# Altium PCB FX_PCB.PcbDoc (part 6 of 7) (continued)
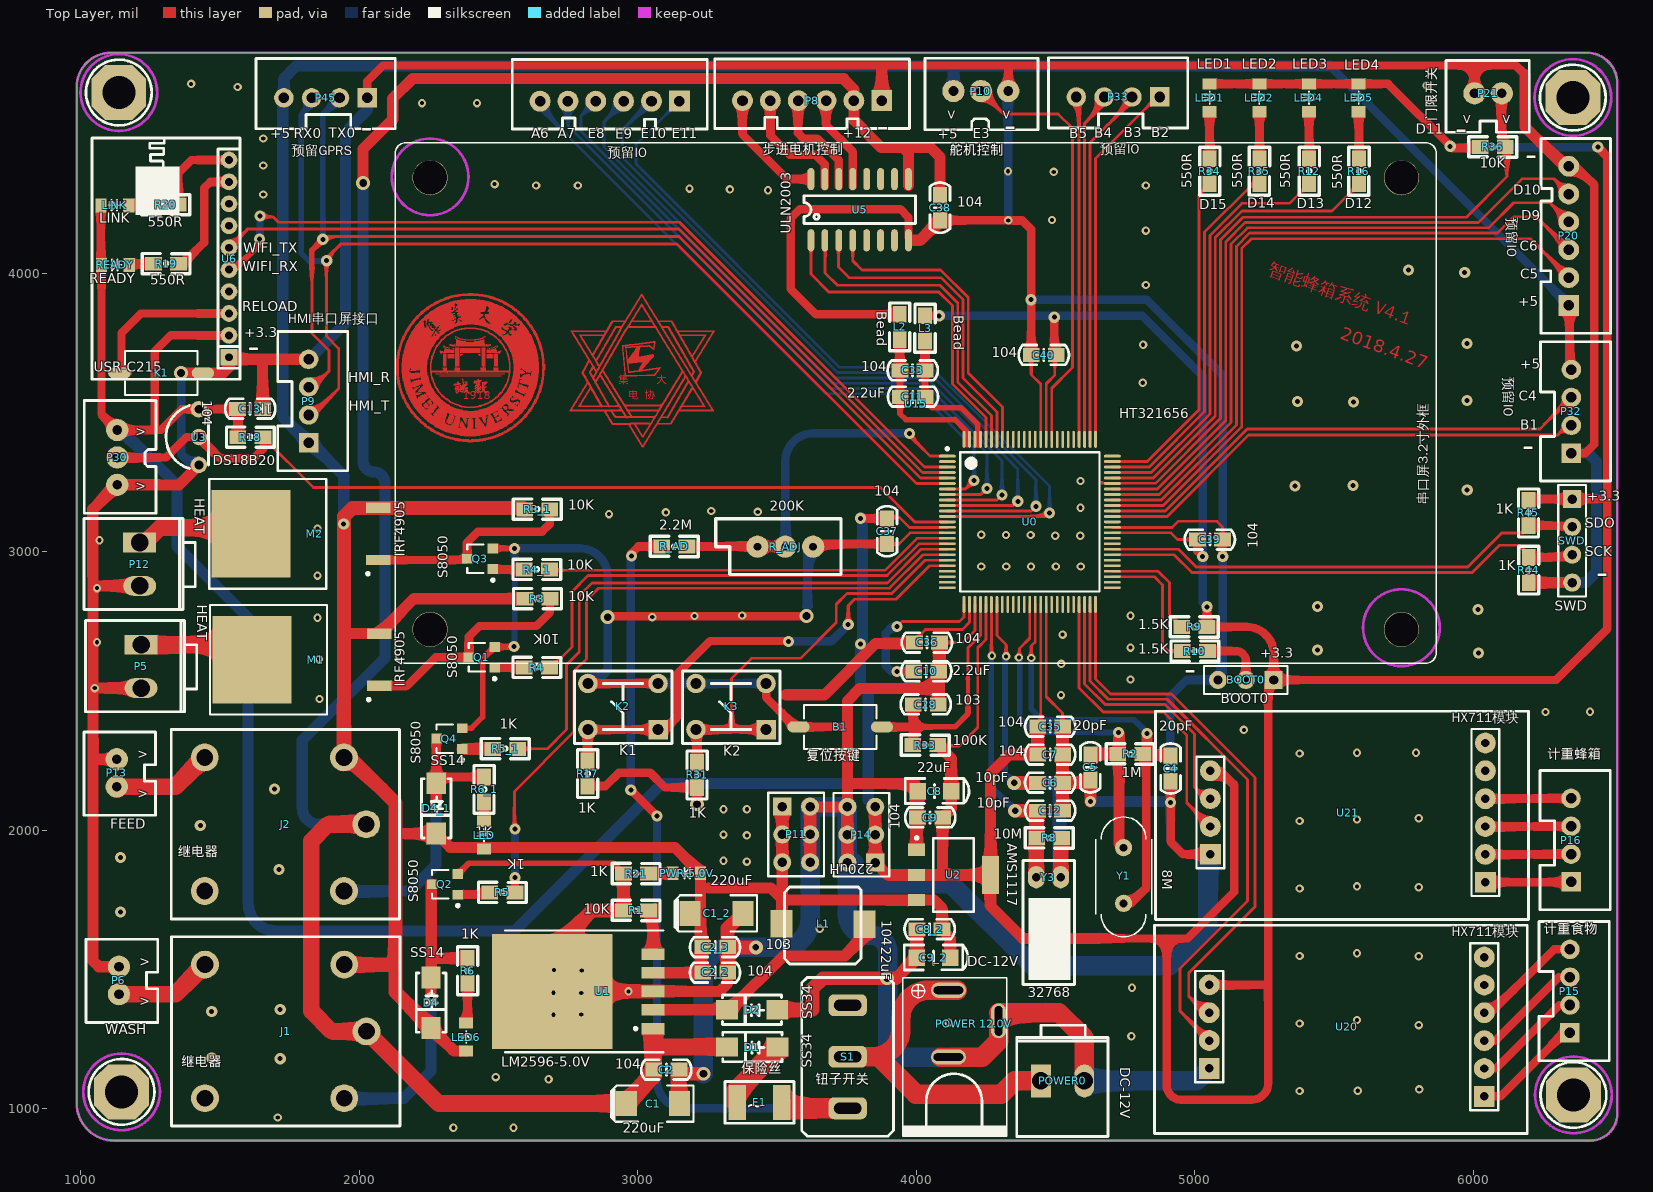
[diagram p0: Top Layer view]
## Nets (pads, with @x,y where several pads share a name; then routed paths per layer and width w, separated by ;. In a path a pad name is that pad's centre, name@x,y a point inside that pad or via, vN(x,y) a via of type N, cw(c..) or ccw(c..) an arc to the next point about the centre after c; other vN are vias at no path point) (continued)
2315,3551 ; 2307,3725 2341,3725 ; 2307,3727 2323,3727 ; 2307,3729 2315,3729 ; 2307,3731 2309,3731 ; 2307,3737 2309,3737 ; 2307,3773 2313,3773 ; 2307,3913 2335,3913 ; 2309,3411 2335,3411 ; 2309,3433 2489,3433 ; 2309,3549 2313,3549 ; 2309,3775 2315,3775 ; 2309,3891 2343,3891 ; 2311,3547 2319,3547 ; 2311,3735 2317,3735 ; 2311,3777 2319,3777 ; 2311,3793 2315,3793 ; 2315,3409 2343,3409 ; 2315,3431 2483,3431 ; 2315,3465 2333,3465 ; 2315,3467 2333,3467 ; 2315,3469 2335,3469 ; 2315,3471 2335,3471 ; 2315,3473 2337,3473 ; 2315,3545 2321,3545 ; 2315,3549 2317,3549 ; 2315,3645 2317,3645 ; 2315,3779 2321,3779 ; 2315,3893 2345,3893 ; 2315,3915 2343,3915 ; 2317,3463 2333,3463 ; 2317,3475 2337,3475 ; 2317,3477 2337,3477 ; 2317,3499 2477,3499 ; 2317,3543 2325,3543 ; 2317,3697 2341,3697 ; 2317,3699 2341,3699 ; 2317,3701 2341,3701 ; 2317,3703 2341,3703 ; 2317,3705 2341,3705 ; 2317,3707 2341,3707 ; 2317,3709 2341,3709 ; 2317,3781 2325,3781 ; 2319,3461 2331,3461 ; 2319,3479 2339,3479 ; 2319,3481 2339,3481 ; 2319,3483 2341,3483 ; 2319,3733 2325,3733 ; 2321,3407 2355,3407 ; 2321,3429 2477,3429 ; 2321,3485 2341,3485 ; 2321,3487 2339,3487 ; 2321,3541 2329,3541 ; 2321,3783 2327,3783 ; 2321,3895 2477,3895 ; 2321,3917 2355,3917 ; 2323,3489 2337,3489 ; 2323,3491 2445,3491 ; 2323,3497 2473,3497 ; 2323,3539 2331,3539 ; 2323,3785 2331,3785 ; 2325,3519 2337,3519 ; 2325,3741 2343,3741 ; 2325,3743 2343,3743 ; 2325,3745 2329,3745 ; 2327,3405 2365,3405 ; 2327,3427 2471,3427 ; 2327,3537 2335,3537 ; 2327,3787 2335,3787 ; 2327,3897 2471,3897 ; 2327,3919 2365,3919 ; 2329,3455 2359,3455 ; 2329,3493 2467,3493 ; 2329,3495 2469,3495 ; 2329,3789 2339,3789 ; 2331,3535 2339,3535 ; 2331,3739 2467,3739 ; 2333,3425 2465,3425 ; 2333,3457 2359,3457 ; 2335,3403 2395,3403 ; 2335,3459 2359,3459 ; 2335,3461 2359,3461 ; 2335,3533 2343,3533 ; 2335,3731 2341,3731 ; 2335,3791 2345,3791 ; 2335,3857 2339,3857 ; 2335,3899 2463,3899 ; 2335,3921 2407,3921 ; 2337,3463 2361,3463 ; 2337,3871 2339,3871 ; 2337,3873 2341,3873 ; 2337,3875 2341,3875 ; 2337,3877 2341,3877 ; 2339,3423 2457,3423 ; 2339,3465 2361,3465 ; 2339,3467 2361,3467 ; 2339,3469 2361,3469 ; 2339,3531 2349,3531 ; 2339,3599 2349,3599 ; 2339,3601 2359,3601 ; 2339,3793 2349,3793 ; 2339,3829 2347,3829 ; 2339,3879 2341,3879 ; 2339,3881 2343,3881 ; 2339,3901 2455,3901 ; 2341,3471 2361,3471 ; 2341,3473 2361,3473 ; 2341,3603 2365,3603 ; 2341,3817 2385,3817 ; 2341,3831 2347,3831 ; 2341,3849 2343,3849 ; 2341,3857 2343,3857 ; 2341,3883 2343,3883 ; 2343,3401 2455,3401 ; 2343,3475 2361,3475 ; 2343,3477 2361,3477 ; 2343,3479 2361,3479 ; 2343,3489 2453,3489 ; 2343,3529 2355,3529 ; 2343,3585 2349,3585 ; 2343,3587 2353,3587 ; 2343,3651 2361,3651 ; 2343,3653 2361,3653 ; 2343,3655 2361,3655 ; 2343,3657 2361,3657 ; 2343,3659 2361,3659 ; 2343,3661 2361,3661 ; 2343,3795 2353,3795 ; 2343,3841 2347,3841 ; 2343,3843 2347,3843 ; 2343,3871 2345,3871 ; 2345,3481 2357,3481 ; 2345,3483 2357,3483 ; 2345,3593 2353,3593 ; 2345,3667 2359,3667 ; 2345,3669 2359,3669 ; 2345,3671 2359,3671 ; 2345,3673 2359,3673 ; 2345,3675 2359,3675 ; 2345,3677 2359,3677 ; 2345,3679 2359,3679 ; 2345,3681 2359,3681 ; 2345,3683 2359,3683 ; 2345,3685 2359,3685 ; 2345,3687 2359,3687 ; 2345,3689 2359,3689 ; 2345,3691 2359,3691 ; 2345,3693 2359,3693 ; 2345,3695 2359,3695 ; 2345,3697 2359,3697 ; 2345,3699 2359,3699 ; 2345,3701 2359,3701 ; 2345,3703 2359,3703 ; 2345,3705 2359,3705 ; 2345,3707 2359,3707 ; 2345,3709 2359,3709 ; 2345,3711 2359,3711 ; 2345,3713 2359,3713 ; 2345,3715 2359,3715 ; 2345,3717 2359,3717 ; 2345,3719 2359,3719 ; 2345,3721 2359,3721 ; 2345,3723 2359,3723 ; 2345,3725 2359,3725 ; 2345,3727 2359,3727 ; 2345,3729 2359,3729 ; 2345,3731 2359,3731 ; 2345,3733 2359,3733 ; 2345,3767 2347,3767 ; 2345,3771 2351,3771 ; 2345,3773 2347,3773 ; 2345,3833 2347,3833 ; 2345,3873 2349,3873 ; 2345,3923 2455,3923 ; 2347,3575 2357,3575 ; 2347,3577 2349,3577 ; 2347,3579 2349,3579 ; 2347,3581 2359,3581 ; 2347,3583 2349,3583 ; 2347,3595 2359,3595 ; 2347,3665 2349,3665 ; 2347,3741 2451,3741 ; 2347,3743 2451,3743 ; 2347,3747 2451,3747 ; 2347,3797 2361,3797 ; 2347,3819 2465,3819 ; 2347,3821 2461,3821 ; 2347,3863 2351,3863 ; 2347,3875 2349,3875 ; 2349,3487 2451,3487 ; 2349,3527 2359,3527 ; 2349,3571 2351,3571 ; 2349,3573 2351,3573 ; 2349,3745 2451,3745 ; 2349,3749 2449,3749 ; 2349,3751 2353,3751 ; 2349,3753 2449,3753 ; 2349,3755 2383,3755 ; 2349,3757 2369,3757 ; 2349,3759 2361,3759 ; 2349,3761 2353,3761 ; 2349,3763 2351,3763 ; 2349,3865 2451,3865 ; 2349,3877 2455,3877 ; 2349,3879 2455,3879 ; 2349,3881 2455,3881 ; 2349,3893 2483,3893 ; 2351,3421 2447,3421 ; 2351,3485 2437,3485 ; 2351,3583 2363,3583 ; 2351,3589 2359,3589 ; 2351,3605 2363,3605 ; 2351,3609 2357,3609 ; 2351,3769 2357,3769 ; 2351,3823 2453,3823 ; 2351,3825 2455,3825 ; 2351,3853 2353,3853 ; 2351,3855 2437,3855 ; 2351,3857 2435,3857 ; 2351,3867 2453,3867 ; 2351,3883 2457,3883 ; 2351,3891 2487,3891 ; 2351,3903 2447,3903 ; 2353,3399 2443,3399 ; 2353,3525 2367,3525 ; 2353,3607 2357,3607 ; 2353,3611 2357,3611 ; 2353,3645 2355,3645 ; 2353,3799 2369,3799 ; 2353,3827 2363,3827 ; 2353,3829 2361,3829 ; 2353,3831 2357,3831 ; 2353,3835 2355,3835 ; 2353,3847 2361,3847 ; 2353,3863 2449,3863 ; 2353,3869 2453,3869 ; 2353,3875 2455,3875 ; 2353,3887 2497,3887 ; 2353,3889 2493,3889 ; 2355,3577 2357,3577 ; 2355,3579 2359,3579 ; 2355,3751 2449,3751 ; 2355,3767 2363,3767 ; 2355,3837 2429,3837 ; 2355,3839 2431,3839 ; 2355,3859 2435,3859 ; 2355,3861 2437,3861 ; 2355,3871 2453,3871 ; 2355,3873 2455,3873 ; 2355,3885 2501,3885 ; 2355,3925 2443,3925 ; 2357,3585 2359,3585 ; 2357,3591 2359,3591 ; 2357,3597 2359,3597 ; 2357,3849 2443,3849 ; 2357,3853 2441,3853 ; 2359,3481 2361,3481 ; 2359,3523 2379,3523 ; 2359,3801 2381,3801 ; 2359,3851 2445,3851 ; 2361,3419 2435,3419 ; 2361,3577 2365,3577 ; 2361,3765 2369,3765 ; 2361,3835 2425,3835 ; 2361,3841 2435,3841 ; 2363,3451 2379,3451 ; 2363,3453 2377,3453 ; 2363,3455 2377,3455 ; 2363,3457 2375,3457 ; 2363,3459 2375,3459 ; 2363,3579 2365,3579 ; 2363,3581 2365,3581 ; 2363,3585 2377,3585 ; 2363,3587 2377,3587 ; 2363,3589 2383,3589 ; 2363,3591 2367,3591 ; 2363,3593 2367,3593 ; 2363,3595 2381,3595 ; 2363,3597 2367,3597 ; 2363,3705 2367,3705 ; 2363,3707 2367,3707 ; 2363,3709 2371,3709 ; 2363,3717 2435,3717 ; 2363,3719 2435,3719 ; 2363,3721 2435,3721 ; 2363,3723 2435,3723 ; 2363,3725 2435,3725 ; 2363,3727 2435,3727 ; 2363,3729 2435,3729 ; 2363,3731 2435,3731 ; 2363,3905 2433,3905 ; 2365,3449 2381,3449 ; 2365,3461 2373,3461 ; 2365,3463 2371,3463 ; 2365,3465 2371,3465 ; 2365,3467 2369,3467 ; 2365,3469 2367,3469 ; 2365,3471 2367,3471 ; 2365,3833 2451,3833 ; 2365,3843 2437,3843 ; 2367,3445 2373,3445 ; 2367,3447 2381,3447 ; 2367,3521 2429,3521 ; 2367,3575 2371,3575 ; 2367,3577 2373,3577 ; 2367,3583 2369,3583 ; 2367,3803 2429,3803 ; 2367,3845 2439,3845 ; 2367,3847 2441,3847 ; 2369,3483 2427,3483 ; 2369,3593 2379,3593 ; 2369,3597 2385,3597 ; 2369,3599 2387,3599 ; 2369,3617 2373,3617 ; 2369,3619 2371,3619 ; 2369,3621 2371,3621 ; 2369,3763 2381,3763 ; 2369,3827 2455,3827 ; 2369,3831 2451,3831 ; 2369,3927 2429,3927 ; 2371,3397 2431,3397 ; 2371,3437 2499,3437 ; 2371,3479 2383,3479 ; 2371,3481 2383,3481 ; 2371,3579 2373,3579 ; 2371,3581 2375,3581 ; 2371,3591 2381,3591 ; 2371,3609 2375,3609 ; 2371,3611 2373,3611 ; 2371,3613 2373,3613 ; 2371,3615 2373,3615 ; 2371,3829 2453,3829 ; 2373,3475 2387,3475 ; 2373,3477 2387,3477 ; 2373,3583 2377,3583 ; 2373,3605 2375,3605 ; 2373,3607 2375,3607 ; 2375,3445 2383,3445 ; 2375,3471 2387,3471 ; 2375,3473 2385,3473 ; 2375,3573 2379,3573 ; 2375,3601 2387,3601 ; 2375,3603 2377,3603 ; 2377,3469 2385,3469 ; 2377,3575 2379,3575 ; 2379,3417 2419,3417 ; 2379,3465 2385,3465 ; 2379,3467 2385,3467 ; 2379,3519 2419,3519 ; 2379,3577 2381,3577 ; 2379,3579 2383,3579 ; 2379,3611 2387,3611 ; 2379,3761 2419,3761 ; 2379,3805 2419,3805 ; 2381,3463 2385,3463 ; 2381,3581 2387,3581 ; 2381,3587 2387,3587 ; 2381,3609 2387,3609 ; 2381,3907 2419,3907 ; 2383,3459 2385,3459 ; 2383,3461 2385,3461 ; 2383,3583 2385,3583 ; 2383,3585 2387,3585 ; 2383,3603 2387,3603 ; 2383,3607 2387,3607 ; 2385,3577 2389,3577 ; 2385,3579 2389,3579 ; 2385,3589 2389,3589 ; 2387,3443 2405,3443 ; 2387,3445 2405,3445 ; 2387,3447 2409,3447 ; 2387,3575 2395,3575 ; 2387,3591 2389,3591 ; 2389,3395 2407,3395 ; 2389,3449 2409,3449 ; 2389,3451 2409,3451 ; 2389,3453 2409,3453 ; 2389,3455 2409,3455 ; 2389,3457 2409,3457 ; 2389,3459 2409,3459 ; 2389,3461 2409,3461 ; 2389,3463 2409,3463 ; 2389,3465 2409,3465 ; 2389,3467 2409,3467 ; 2389,3573 2395,3573 ; 2391,3469 2409,3469 ; 2391,3471 2409,3471 ; 2391,3473 2395,3473 ; 2391,3475 2399,3475 ; 2391,3569 2395,3569 ; 2391,3571 2395,3571 ; 2391,3929 2409,3929 ; 2393,3481 2403,3481 ; 2395,3477 2407,3477 ; 2397,3473 2409,3473 ; 2397,3479 2403,3479 ; 2401,3475 2407,3475 ; 2403,3403 2463,3403 ; 2409,3921 2463,3921 ; 2411,3607 2415,3607 ; 2411,3609 2423,3609 ; 2411,3611 2435,3611 ; 2413,3507 2493,3507 ; 2413,3613 2437,3613 ; 2413,3755 2449,3755 ; 2413,3763 2429,3763 ; 2415,3577 2417,3577 ; 2415,3585 2417,3585 ; 2415,3587 2419,3587 ; 2415,3595 2419,3595 ; 2415,3817 2517,3817 ; 2417,3449 2451,3449 ; 2417,3451 2451,3451 ; 2417,3453 2449,3453 ; 2417,3455 2447,3455 ; 2417,3457 2447,3457 ; 2417,3459 2445,3459 ; 2417,3461 2443,3461 ; 2417,3463 2441,3463 ; 2417,3465 2441,3465 ; 2417,3467 2439,3467 ; 2417,3469 2421,3469 ; 2417,3471 2437,3471 ; 2417,3473 2435,3473 ; 2417,3475 2433,3475 ; 2417,3477 2431,3477 ; 2417,3573 2419,3573 ; 2417,3579 2419,3579 ; 2417,3589 2421,3589 ; 2417,3597 2431,3597 ; 2419,3447 2519,3447 ; 2419,3479 2429,3479 ; 2419,3523 2439,3523 ; 2419,3575 2421,3575 ; 2419,3581 2421,3581 ; 2419,3591 2431,3591 ; 2419,3603 2423,3603 ; 2419,3605 2421,3605 ; 2419,3607 2423,3607 ; 2419,3801 2439,3801 ; 2421,3443 2511,3443 ; 2421,3481 2425,3481 ; 2421,3577 2423,3577 ; 2421,3583 2423,3583 ; 2421,3593 2427,3593 ; 2421,3595 2429,3595 ; 2421,3599 2433,3599 ; 2423,3445 2515,3445 ; 2423,3469 2437,3469 ; 2423,3573 2429,3573 ; 2423,3579 2425,3579 ; 2423,3585 2425,3585 ; 2423,3587 2431,3587 ; 2423,3601 2435,3601 ; 2425,3571 2429,3571 ; 2425,3581 2431,3581 ; 2425,3589 2429,3589 ; 2425,3603 2429,3603 ; 2425,3615 2439,3615 ; 2425,3617 2429,3617 ; 2425,3619 2429,3619 ; 2427,3575 2431,3575 ; 2427,3577 2429,3577 ; 2427,3579 2431,3579 ; 2427,3583 2431,3583 ; 2427,3605 2431,3605 ; 2427,3607 2433,3607 ; 2427,3709 2435,3709 ; 2427,3765 2437,3765 ; 2429,3509 2515,3509 ; 2429,3525 2445,3525 ; 2429,3585 2431,3585 ; 2429,3609 2433,3609 ; 2429,3757 2449,3757 ; 2429,3799 2445,3799 ; 2429,3815 2517,3815 ; 2431,3405 2473,3405 ; 2431,3705 2435,3705 ; 2431,3707 2435,3707 ; 2431,3919 2471,3919 ; 2433,3585 2437,3585 ; 2433,3587 2435,3587 ; 2433,3589 2435,3589 ; 2433,3591 2437,3591 ; 2433,3593 2437,3593 ; 2435,3573 2437,3573 ; 2435,3583 2437,3583 ; 2435,3595 2437,3595 ; 2435,3661 2455,3661 ; 2435,3767 2443,3767 ; 2437,3511 2515,3511 ; 2437,3527 2451,3527 ; 2437,3575 2441,3575 ; 2437,3651 2455,3651 ; 2437,3653 2455,3653 ; 2437,3655 2455,3655 ; 2437,3657 2455,3657 ; 2437,3659 2455,3659 ; 2437,3759 2449,3759 ; 2437,3797 2451,3797 ; 2437,3813 2519,3813 ; 2437,3835 2449,3835 ; 2439,3481 2455,3481 ; 2439,3577 2443,3577 ; 2439,3589 2445,3589 ; 2439,3591 2453,3591 ; 2439,3607 2443,3607 ; 2439,3667 2453,3667 ; 2439,3669 2445,3669 ; 2439,3671 2453,3671 ; 2439,3673 2453,3673 ; 2439,3675 2453,3675 ; 2439,3677 2453,3677 ; 2439,3679 2453,3679 ; 2439,3681 2453,3681 ; 2439,3683 2453,3683 ; 2439,3685 2453,3685 ; 2439,3687 2453,3687 ; 2439,3689 2453,3689 ; 2439,3691 2453,3691 ; 2439,3693 2453,3693 ; 2439,3695 2453,3695 ; 2439,3697 2453,3697 ; 2439,3699 2453,3699 ; 2439,3701 2453,3701 ; 2439,3703 2453,3703 ; 2439,3705 2453,3705 ; 2439,3707 2453,3707 ; 2439,3709 2453,3709 ; 2439,3711 2453,3711 ; 2439,3713 2453,3713 ; 2439,3715 2453,3715 ; 2439,3717 2453,3717 ; 2439,3719 2453,3719 ; 2439,3721 2453,3721 ; 2439,3723 2453,3723 ; 2439,3725 2453,3725 ; 2439,3727 2453,3727 ; 2439,3729 2453,3729 ; 2439,3731 2453,3731 ; 2439,3733 2453,3733 ; 2439,3837 2449,3837 ; 2441,3477 2455,3477 ; 2441,3479 2455,3479 ; 2441,3483 2457,3483 ; 2441,3485 2447,3485 ; 2441,3579 2451,3579 ; 2441,3583 2449,3583 ; 2441,3585 2443,3585 ; 2441,3593 2443,3593 ; 2441,3595 2445,3595 ; 2441,3597 2449,3597 ; 2441,3599 2453,3599 ; 2441,3601 2443,3601 ; 2441,3603 2443,3603 ; 2441,3605 2443,3605 ; 2441,3609 2459,3609 ; 2441,3769 2447,3769 ; 2441,3839 2449,3839 ; 2443,3475 2455,3475 ; 2443,3513 2505,3513 ; 2443,3581 2449,3581 ; 2443,3761 2449,3761 ; 2443,3795 2455,3795 ; 2443,3811 2521,3811 ; 2443,3853 2445,3853 ; 2445,3407 2479,3407 ; 2445,3471 2455,3471 ; 2445,3473 2455,3473 ; 2445,3529 2455,3529 ; 2445,3593 2447,3593 ; 2445,3607 2457,3607 ; 2445,3665 2449,3665 ; 2445,3841 2449,3841 ; 2445,3917 2477,3917 ; 2447,3469 2455,3469 ; 2447,3491 2459,3491 ; 2447,3577 2453,3577 ; 2447,3585 2451,3585 ; 2447,3587 2451,3587 ; 2447,3601 2453,3601 ; 2447,3603 2453,3603 ; 2447,3669 2453,3669 ; 2447,3771 2453,3771 ; 2449,3465 2453,3465 ; 2449,3467 2453,3467 ; 2449,3485 2457,3485 ; 2449,3531 2459,3531 ; 2449,3575 2457,3575 ; 2449,3589 2451,3589 ; 2449,3593 2457,3593 ; 2449,3605 2455,3605 ; 2449,3793 2461,3793 ; 2449,3809 2465,3809 ; 2451,3463 2453,3463 ; 2451,3515 2505,3515 ; 2451,3611 2459,3611 ; 2451,3773 2453,3773 ; 2451,3849 2559,3849 ; 2453,3533 2465,3533 ; 2453,3573 2459,3573 ; 2453,3791 2465,3791 ; 2453,3845 2563,3845 ; 2453,3847 2561,3847 ; 2453,3851 2557,3851 ; 2453,3853 2533,3853 ; 2455,3409 2467,3409 ; 2455,3449 2521,3449 ; 2455,3451 2525,3451 ; 2455,3453 2521,3453 ; 2455,3571 2459,3571 ; 2455,3741 2471,3741 ; 2455,3743 2473,3743 ; 2455,3745 2457,3745 ; 2455,3807 2535,3807 ; 2455,3823 2459,3823 ; 2455,3839 2569,3839 ; 2455,3841 2567,3841 ; 2455,3843 2565,3843 ; 2455,3915 2483,3915 ; 2457,3455 2533,3455 ; 2457,3457 2461,3457 ; 2457,3459 2537,3459 ; 2457,3461 2485,3461 ; 2457,3463 2485,3463 ; 2457,3517 2509,3517 ; 2457,3535 2467,3535 ; 2457,3697 2481,3697 ; 2457,3699 2481,3699 ; 2457,3701 2481,3701 ; 2457,3703 2481,3703 ; 2457,3705 2481,3705 ; 2457,3707 2481,3707 ; 2457,3709 2481,3709 ; 2457,3717 2507,3717 ; 2457,3719 2493,3719 ; 2457,3721 2493,3721 ; 2457,3723 2493,3723 ; 2457,3725 2493,3725 ; 2457,3789 2467,3789 ; 2457,3835 2461,3835 ; 2457,3837 2571,3837 ; 2459,3465 2487,3465 ; 2459,3467 2487,3467 ; 2459,3469 2485,3469 ; 2459,3471 2485,3471 ; 2459,3473 2483,3473 ; 2459,3475 2483,3475 ; 2459,3833 2533,3833 ; 2461,3477 2481,3477 ; 2461,3479 2481,3479 ; 2461,3481 2479,3481 ; 2461,3483 2479,3483 ; 2461,3485 2477,3485 ; 2461,3487 2475,3487 ; 2461,3519 2501,3519 ; 2461,3731 2463,3731 ; 2461,3805 2509,3805 ; 2461,3863 2541,3863 ; 2461,3865 2537,3865 ; 2461,3883 2507,3883 ; 2463,3411 2491,3411 ; 2463,3457 2533,3457 ; 2463,3491 2469,3491 ; 2463,3537 2471,3537 ; 2463,3787 2471,3787 ; 2463,3829 2539,3829 ; 2463,3831 2541,3831 ; 2463,3835 2543,3835 ; 2463,3867 2535,3867 ; 2463,3869 2531,3869 ; 2463,3881 2511,3881 ; 2463,3913 2489,3913 ; 2465,3489 2475,3489 ; 2465,3521 2499,3521 ; 2465,3803 2509,3803 ; 2465,3827 2537,3827 ; 2465,3855 2551,3855 ; 2465,3871 2529,3871 ; 2465,3877 2519,3877 ; 2465,3879 2515,3879 ; 2467,3539 2469,3539 ; 2467,3731 2469,3731 ; 2467,3785 2475,3785 ; 2467,3809 2517,3809 ; 2467,3857 2549,3857 ; 2467,3859 2545,3859 ; 2467,3861 2543,3861 ; 2467,3873 2525,3873 ; 2467,3875 2523,3875 ; 2469,3409 2485,3409 ; 2469,3523 2513,3523 ; 2469,3541 2479,3541 ; 2469,3715 2471,3715 ; 2469,3745 2473,3745 ; 2469,3783 2477,3783 ; 2469,3801 2509,3801 ; 2469,3823 2527,3823 ; 2469,3825 2537,3825 ; 2469,3911 2495,3911 ; 2471,3413 2495,3413 ; 2471,3491 2473,3491 ; 2471,3539 2475,3539 ; 2473,3525 2517,3525 ; 2473,3543 2481,3543 ; 2473,3733 2479,3733 ; 2473,3781 2481,3781 ; 2473,3799 2495,3799 ; 2473,3819 2519,3819 ; 2473,3821 2523,3821 ; 2475,3727 2491,3727 ; 2475,3779 2483,3779 ; 2477,3415 2499,3415 ; 2477,3527 2519,3527 ; 2477,3545 2483,3545 ; 2477,3797 2513,3797 ; 2477,3909 2501,3909 ; 2479,3547 2487,3547 ; 2479,3777 2487,3777 ; 2481,3493 2497,3493 ; 2481,3495 2497,3495 ; 2481,3529 2521,3529 ; 2481,3661 2499,3661 ; 2481,3735 2485,3735 ; 2481,3795 2517,3795 ; 2483,3417 2505,3417 ; 2483,3491 2495,3491 ; 2483,3497 2501,3497 ; 2483,3531 2525,3531 ; 2483,3549 2485,3549 ; 2483,3651 2499,3651 ; 2483,3653 2499,3653 ; 2483,3655 2497,3655 ; 2483,3657 2497,3657 ; 2483,3659 2499,3659 ; 2483,3729 2491,3729 ; 2483,3773 2491,3773 ; 2483,3775 2489,3775 ; 2483,3793 2489,3793 ; 2483,3907 2505,3907 ; 2485,3487 2489,3487 ; 2485,3489 2493,3489 ; 2485,3551 2491,3551 ; 2485,3667 2497,3667 ; 2485,3669 2497,3669 ; 2485,3671 2497,3671 ; 2485,3673 2497,3673 ; 2485,3675 2497,3675 ; 2485,3677 2497,3677 ; 2485,3679 2497,3679 ; 2485,3681 2497,3681 ; 2485,3683 2497,3683 ; 2485,3685 2497,3685 ; 2485,3687 2497,3687 ; 2485,3689 2497,3689 ; 2485,3691 2497,3691 ; 2485,3693 2497,3693 ; 2485,3695 2497,3695 ; 2485,3697 2497,3697 ; 2485,3699 2497,3699 ; 2485,3701 2497,3701 ; 2485,3703 2497,3703 ; 2485,3705 2497,3705 ; 2485,3707 2497,3707 ; 2485,3709 2497,3709 ; 2485,3711 2497,3711 ; 2485,3791 2519,3791 ; 2487,3499 2497,3499 ; 2487,3533 2491,3533 ; 2487,3549 2489,3549 ; 2487,3553 2493,3553 ; 2487,3737 2491,3737 ; 2487,3771 2493,3771 ; 2489,3419 2509,3419 ; 2489,3461 2541,3461 ; 2489,3479 2509,3479 ; 2489,3481 2509,3481 ; 2489,3535 2549,3535 ; 2489,3555 2495,3555 ; 2489,3731 2491,3731 ; 2489,3789 2527,3789 ; 2489,3905 2511,3905 ; 2491,3475 2505,3475 ; 2491,3477 2499,3477 ; 2491,3501 2495,3501 ; 2491,3537 2495,3537 ; 2491,3557 2499,3557 ; 2491,3769 2495,3769 ; 2491,3787 2525,3787 ; 2491,3793 2515,3793 ; 2493,3421 2515,3421 ; 2493,3463 2543,3463 ; 2493,3471 2499,3471 ; 2493,3473 2503,3473 ; 2493,3483 2503,3483 ; 2493,3533 2573,3533 ; 2493,3559 2501,3559 ; 2493,3735 2495,3735 ; 2493,3737 2495,3737 ; 2493,3739 2497,3739 ; 2493,3767 2497,3767 ; 2495,3539 2543,3539 ; 2495,3765 2499,3765 ; 2495,3785 2511,3785 ; 2495,3903 2513,3903 ; 2497,3465 2547,3465 ; 2497,3485 2501,3485 ; 2497,3505 2519,3505 ; 2497,3507 2517,3507 ; 2497,3537 2545,3537 ; 2497,3541 2541,3541 ; 2497,3561 2503,3561 ; 2497,3763 2503,3763 ; 2497,3783 2513,3783 ; 2497,3799 2511,3799 ; 2499,3423 2517,3423 ; 2499,3495 2529,3495 ; 2499,3501 2517,3501 ; 2499,3503 2521,3503 ; 2499,3543 2541,3543 ; 2499,3563 2503,3563 ; 2499,3565 2507,3565 ; 2499,3719 2507,3719 ; 2499,3761 2505,3761 ; 2499,3781 2511,3781 ; 2499,3901 2517,3901 ; 2501,3467 2549,3467 ; 2501,3477 2509,3477 ; 2501,3491 2527,3491 ; 2501,3493 2531,3493 ; 2501,3499 2525,3499 ; 2501,3521 2513,3521 ; 2501,3545 2539,3545 ; 2501,3567 2507,3567 ; 2501,3713 2503,3713 ; 2501,3757 2509,3757 ; 2501,3759 2507,3759 ; 2501,3779 2513,3779 ; 2503,3425 2521,3425 ; 2503,3487 2529,3487 ; 2503,3489 2529,3489 ; 2503,3497 2527,3497 ; 2503,3519 2511,3519 ; 2503,3569 2509,3569 ; 2503,3715 2505,3715 ; 2503,3755 2509,3755 ; 2503,3777 2515,3777 ; 2503,3899 2521,3899 ; 2505,3469 2551,3469 ; 2505,3483 2509,3483 ; 2505,3485 2569,3485 ; 2505,3547 2541,3547 ; 2505,3571 2511,3571 ; 2505,3753 2511,3753 ; 2505,3775 2509,3775 ; 2507,3549 2541,3549 ; 2507,3573 2513,3573 ; 2507,3721 2509,3721 ; 2507,3751 2513,3751 ; 2507,3897 2525,3897 ; 2509,3427 2525,3427 ; 2509,3471 2553,3471 ; 2509,3513 2511,3513 ; 2509,3551 2541,3551 ; 2509,3553 2543,3553 ; 2509,3575 2511,3575 ; 2509,3749 2515,3749 ; 2509,3773 2517,3773 ; 2511,3555 2545,3555 ; 2511,3577 2515,3577 ; 2511,3745 2517,3745 ; 2511,3747 2515,3747 ; 2511,3771 2619,3771 ; 2511,3775 2535,3775 ; 2513,3429 2529,3429 ; 2513,3473 2557,3473 ; 2513,3475 2559,3475 ; 2513,3477 2561,3477 ; 2513,3479 2563,3479 ; 2513,3481 2565,3481 ; 2513,3483 2567,3483 ; 2513,3557 2547,3557 ; 2513,3575 2515,3575 ; 2513,3579 2517,3579 ; 2513,3581 2519,3581 ; 2513,3743 2519,3743 ; 2513,3767 2527,3767 ; 2513,3769 2621,3769 ; 2513,3895 2529,3895 ; 2515,3559 2547,3559 ; 2515,3583 2521,3583 ; 2515,3741 2519,3741 ; 2515,3765 2623,3765 ; 2515,3785 2523,3785 ; 2517,3431 2531,3431 ; 2517,3519 2531,3519 ; 2517,3521 2531,3521 ; 2517,3561 2587,3561 ; 2517,3585 2521,3585 ; 2517,3587 2523,3587 ; 2517,3737 2523,3737 ; 2517,3739 2521,3739 ; 2517,3763 2623,3763 ; 2517,3783 2519,3783 ; 2517,3793 2521,3793 ; 2517,3805 2535,3805 ; 2517,3893 2533,3893 ; 2519,3501 2523,3501 ; 2519,3517 2523,3517 ; 2519,3523 2527,3523 ; 2519,3563 2581,3563 ; 2519,3589 2523,3589 ; 2519,3591 2525,3591 ; 2519,3735 2523,3735 ; 2519,3761 2623,3761 ; 2519,3773 2619,3773 ; 2519,3803 2537,3803 ; 2519,3809 2537,3809 ; 2519,3891 2525,3891 ; 2521,3433 2535,3433 ; 2521,3513 2529,3513 ; 2521,3515 2531,3515 ; 2521,3565 2579,3565 ; 2521,3593 2527,3593 ; 2521,3731 2525,3731 ; 2521,3733 2525,3733 ; 2521,3759 2625,3759 ; 2521,3777 2527,3777 ; 2521,3791 2525,3791 ; 2521,3801 2537,3801 ; 2523,3435 2539,3435 ; 2523,3453 2529,3453 ; 2523,3567 2559,3567 ; 2523,3595 2527,3595 ; 2523,3597 2529,3597 ; 2523,3727 2527,3727 ; 2523,3729 2527,3729 ; 2523,3755 2627,3755 ; 2523,3757 2625,3757 ; 2523,3811 2531,3811 ; 2523,3889 2539,3889 ; 2525,3511 2527,3511 ; 2525,3517 2531,3517 ; 2525,3569 2571,3569 ; 2525,3571 2551,3571 ; 2525,3599 2529,3599 ; 2525,3601 2529,3601 ; 2525,3723 2529,3723 ; 2525,3725 2529,3725 ; 2525,3753 2627,3753 ; 2525,3779 2537,3779 ; 2525,3799 2533,3799 ; 2527,3437 2543,3437 ; 2527,3573 2557,3573 ; 2527,3603 2531,3603 ; 2527,3605 2531,3605 ; 2527,3607 2533,3607 ; 2527,3719 2531,3719 ; 2527,3721 2531,3721 ; 2527,3749 2629,3749 ; 2527,3751 2627,3751 ; 2527,3797 2533,3797 ; 2527,3813 2535,3813 ; 2527,3887 2543,3887 ; 2527,3891 2537,3891 ; 2529,3491 2531,3491 ; 2529,3505 2589,3505 ; 2529,3507 2537,3507 ; 2529,3575 2559,3575 ; 2529,3577 2559,3577 ; 2529,3609 2533,3609 ; 2529,3611 2535,3611 ; 2529,3713 2535,3713 ; 2529,3715 2533,3715 ; 2529,3717 2533,3717 ; 2529,3747 2629,3747 ; 2529,3767 2621,3767 ; 2529,3777 2539,3777 ; 2529,3781 2535,3781 ; 2529,3815 2535,3815 ; 2531,3439 2547,3439 ; 2531,3503 2587,3503 ; 2531,3531 2573,3531 ; 2531,3579 2561,3579 ; 2531,3613 2535,3613 ; 2531,3615 2535,3615 ; 2531,3617 2537,3617 ; 2531,3707 2537,3707 ; 2531,3709 2535,3709 ; 2531,3711 2535,3711 ; 2531,3743 2631,3743 ; 2531,3745 2631,3745 ; 2531,3783 2535,3783 ; 2531,3885 2545,3885 ; 2533,3441 2549,3441 ; 2533,3487 2571,3487 ; 2533,3501 2537,3501 ; 2533,3529 2559,3529 ; 2533,3581 2561,3581 ; 2533,3583 2563,3583 ; 2533,3585 2563,3585 ; 2533,3619 2537,3619 ; 2533,3621 2537,3621 ; 2533,3623 2537,3623 ; 2533,3701 2539,3701 ; 2533,3703 2537,3703 ; 2533,3705 2537,3705 ; 2533,3741 2631,3741 ; 2533,3811 2543,3811 ; 2533,3823 2537,3823 ; 2533,3883 2549,3883 ; 2535,3489 2573,3489 ; 2535,3499 2541,3499 ; 2535,3527 2559,3527 ; 2535,3587 2575,3587 ; 2535,3625 2539,3625 ; 2535,3627 2539,3627 ; 2535,3629 2539,3629 ; 2535,3631 2541,3631 ; 2535,3693 2541,3693 ; 2535,3695 2539,3695 ; 2535,3697 2539,3697 ; 2535,3699 2539,3699 ; 2535,3737 2633,3737 ; 2535,3739 2633,3739 ; 2535,3833 2543,3833 ; 2535,3853 2553,3853 ; 2537,3443 2551,3443 ; 2537,3491 2575,3491 ; 2537,3515 2597,3515 ; 2537,3517 2597,3517 ; 2537,3519 2599,3519 ; 2537,3521 2601,3521 ; 2537,3523 2567,3523 ; 2537,3525 2547,3525 ; 2537,3589 2571,3589 ; 2537,3591 2567,3591 ; 2537,3633 2541,3633 ; 2537,3635 2541,3635 ; 2537,3637 2541,3637 ; 2537,3639 2541,3639 ; 2537,3641 2541,3641 ; 2537,3645 2543,3645 ; 2537,3683 2541,3683 ; 2537,3685 2541,3685 ; 2537,3687 2541,3687 ; 2537,3689 2541,3689 ; 2537,3691 2541,3691 ; 2537,3733 2635,3733 ; 2537,3735 2633,3735 ; 2537,3775 2543,3775 ; 2537,3813 2541,3813 ; 2537,3821 2553,3821 ; 2537,3881 2551,3881 ; 2539,3493 2577,3493 ; 2539,3501 2585,3501 ; 2539,3593 2567,3593 ; 2539,3595 2567,3595 ; 2539,3643 2543,3643 ; 2539,3651 2543,3651 ; 2539,3653 2543,3653 ; 2539,3655 2543,3655 ; 2539,3657 2543,3657 ; 2539,3659 2543,3659 ; 2539,3661 2543,3661 ; 2539,3663 2543,3663 ; 2539,3665 2543,3665 ; 2539,3667 2543,3667 ; 2539,3669 2543,3669 ; 2539,3671 2543,3671 ; 2539,3673 2543,3673 ; 2539,3675 2543,3675 ; 2539,3677 2543,3677 ; 2539,3679 2543,3679 ; 2539,3681 2543,3681 ; 2539,3729 2635,3729 ; 2539,3731 2635,3731 ; 2539,3789 2609,3789 ; 2539,3791 2609,3791 ; 2539,3793 2607,3793 ; 2541,3445 2549,3445 ; 2541,3495 2575,3495 ; 2541,3597 2567,3597 ; 2541,3599 2569,3599 ; 2541,3725 2637,3725 ; 2541,3727 2635,3727 ; 2541,3787 2611,3787 ; 2541,3809 2549,3809 ; 2541,3879 2547,3879 ; 2543,3447 2557,3447 ; 2543,3497 2581,3497 ; 2543,3499 2583,3499 ; 2543,3601 2569,3601 ; 2543,3603 2569,3603 ; 2543,3719 2637,3719 ; 2543,3721 2637,3721 ; 2543,3723 2637,3723 ; 2543,3785 2611,3785 ; 2543,3823 2549,3823 ; 2543,3877 2557,3877 ; 2545,3547 2561,3547 ; 2545,3549 2567,3549 ; 2545,3605 2571,3605 ; 2545,3607 2571,3607 ; 2545,3609 2571,3609 ; 2545,3715 2639,3715 ; 2545,3717 2639,3717 ; 2545,3775 2617,3775 ; 2545,3777 2617,3777 ; 2545,3795 2555,3795 ; 2545,3807 2551,3807 ; 2545,3819 2547,3819 ; 2545,3825 2557,3825 ; 2547,3449 2561,3449 ; 2547,3545 2555,3545 ; 2547,3551 2581,3551 ; 2547,3611 2573,3611 ; 2547,3613 2573,3613 ; 2547,3615 2573,3615 ; 2547,3617 2575,3617 ; 2547,3709 2641,3709 ; 2547,3711 2639,3711 ; 2547,3713 2639,3713 ; 2547,3779 2615,3779 ; 2547,3781 2615,3781 ; 2547,3783 2613,3783 ; 2547,3797 2553,3797 ; 2547,3805 2549,3805 ; 2547,3827 2559,3827 ; 2547,3875 2559,3875 ; 2549,3451 2563,3451 ; 2549,3513 2553,3513 ; 2549,3525 2563,3525 ; 2549,3553 2555,3553 ; 2549,3619 2575,3619 ; 2549,3621 2575,3621 ; 2549,3623 2641,3623 ; 2549,3625 2577,3625 ; 2549,3701 2641,3701 ; 2549,3703 2641,3703 ; 2549,3705 2641,3705 ; 2549,3707 2641,3707 ; 2549,3803 2557,3803 ; 2549,3819 2551,3819 ; 2549,3829 2579,3829 ; 2549,3831 2577,3831 ; 2549,3873 2563,3873 ; 2549,3879 2555,3879 ; 2551,3445 2555,3445 ; 2551,3535 2565,3535 ; 2551,3627 2577,3627 ; 2551,3629 2577,3629 ; 2551,3631 2577,3631 ; 2551,3691 2643,3691 ; 2551,3693 2643,3693 ; 2551,3695 2643,3695 ; 2551,3697 2643,3697 ; 2551,3699 2643,3699 ; 2551,3805 2555,3805 ; 2551,3823 2555,3823 ; 2551,3833 2555,3833 ; 2551,3835 2573,3835 ; 2551,3871 2565,3871 ; 2553,3453 2565,3453 ; 2553,3559 2589,3559 ; 2553,3571 2557,3571 ; 2553,3633 2577,3633 ; 2553,3635 2577,3635 ; 2553,3637 2577,3637 ; 2553,3639 2577,3639 ; 2553,3641 2579,3641 ; 2553,3643 2593,3643 ; 2553,3645 2595,3645 ; 2553,3647 2593,3647 ; 2553,3679 2645,3679 ; 2553,3681 2645,3681 ; 2553,3683 2643,3683 ; 2553,3685 2643,3685 ; 2553,3687 2643,3687 ; 2553,3689 2643,3689 ; 2555,3455 2567,3455 ; 2555,3507 2581,3507 ; 2555,3509 2591,3509 ; 2555,3649 2589,3649 ; 2555,3651 2581,3651 ; 2555,3653 2579,3653 ; 2555,3655 2579,3655 ; 2555,3657 2579,3657 ; 2555,3659 2581,3659 ; 2555,3661 2581,3661 ; 2555,3663 2581,3663 ; 2555,3665 2645,3665 ; 2555,3667 2645,3667 ; 2555,3669 2645,3669 ; 2555,3671 2645,3671 ; 2555,3673 2645,3673 ; 2555,3675 2645,3675 ; 2555,3677 2645,3677 ; 2555,3801 2557,3801 ; 2555,3813 2559,3813 ; 2555,3869 2567,3869 ; 2557,3457 2569,3457 ; 2557,3513 2595,3513 ; 2557,3537 2573,3537 ; 2557,3557 2583,3557 ; 2557,3833 2575,3833 ; 2557,3867 2569,3867 ; 2559,3459 2573,3459 ; 2559,3511 2593,3511 ; 2559,3553 2591,3553 ; 2559,3555 2589,3555 ; 2559,3571 2565,3571 ; 2559,3811 2569,3811 ; 2559,3865 2573,3865 ; 2561,3567 2575,3567 ; 2561,3809 2595,3809 ; 2561,3827 2581,3827 ; 2563,3461 2565,3461 ; 2563,3529 2567,3529 ; 2563,3539 2573,3539 ; 2563,3807 2597,3807 ; 2563,3821 2573,3821 ; 2563,3825 2583,3825 ; 2563,3863 2575,3863 ; 2565,3463 2577,3463 ; 2565,3581 2631,3581 ; 2565,3795 2605,3795 ; 2565,3805 2599,3805 ; 2565,3819 2567,3819 ; 2565,3823 2585,3823 ; 2565,3861 2573,3861 ; 2567,3461 2575,3461 ; 2567,3465 2579,3465 ; 2567,3535 2575,3535 ; 2567,3541 2569,3541 ; 2567,3579 2631,3579 ; 2567,3583 2631,3583 ; 2567,3585 2633,3585 ; 2567,3797 2605,3797 ; 2567,3799 2603,3799 ; 2567,3801 2601,3801 ; 2567,3803 2601,3803 ; 2567,3859 2575,3859 ; 2569,3467 2581,3467 ; 2569,3857 2581,3857 ; 2571,3469 2583,3469 ; 2571,3523 2601,3523 ; 2571,3525 2603,3525 ; 2571,3549 2617,3549 ; 2571,3577 2629,3577 ; 2571,3855 2583,3855 ; 2573,3471 2585,3471 ; 2573,3527 2605,3527 ; 2573,3593 2601,3593 ; 2573,3595 2577,3595 ; 2573,3597 2587,3597 ; 2573,3599 2583,3599 ; 2573,3601 2575,3601 ; 2573,3853 2585,3853 ; 2575,3529 2605,3529 ; 2575,3547 2617,3547 ; 2575,3591 2603,3591 ; 2575,3811 2595,3811 ; 2575,3861 2577,3861 ; 2577,3473 2587,3473 ; 2577,3495 2579,3495 ; 2577,3531 2607,3531 ; 2577,3533 2609,3533 ; 2577,3545 2615,3545 ; 2577,3575 2629,3575 ; 2577,3587 2603,3587 ; 2577,3589 2603,3589 ; 2577,3609 2639,3609